# KiCad board skean.kicad_pcb
title: Skean; date: 2021-11-01; rev: 0.2
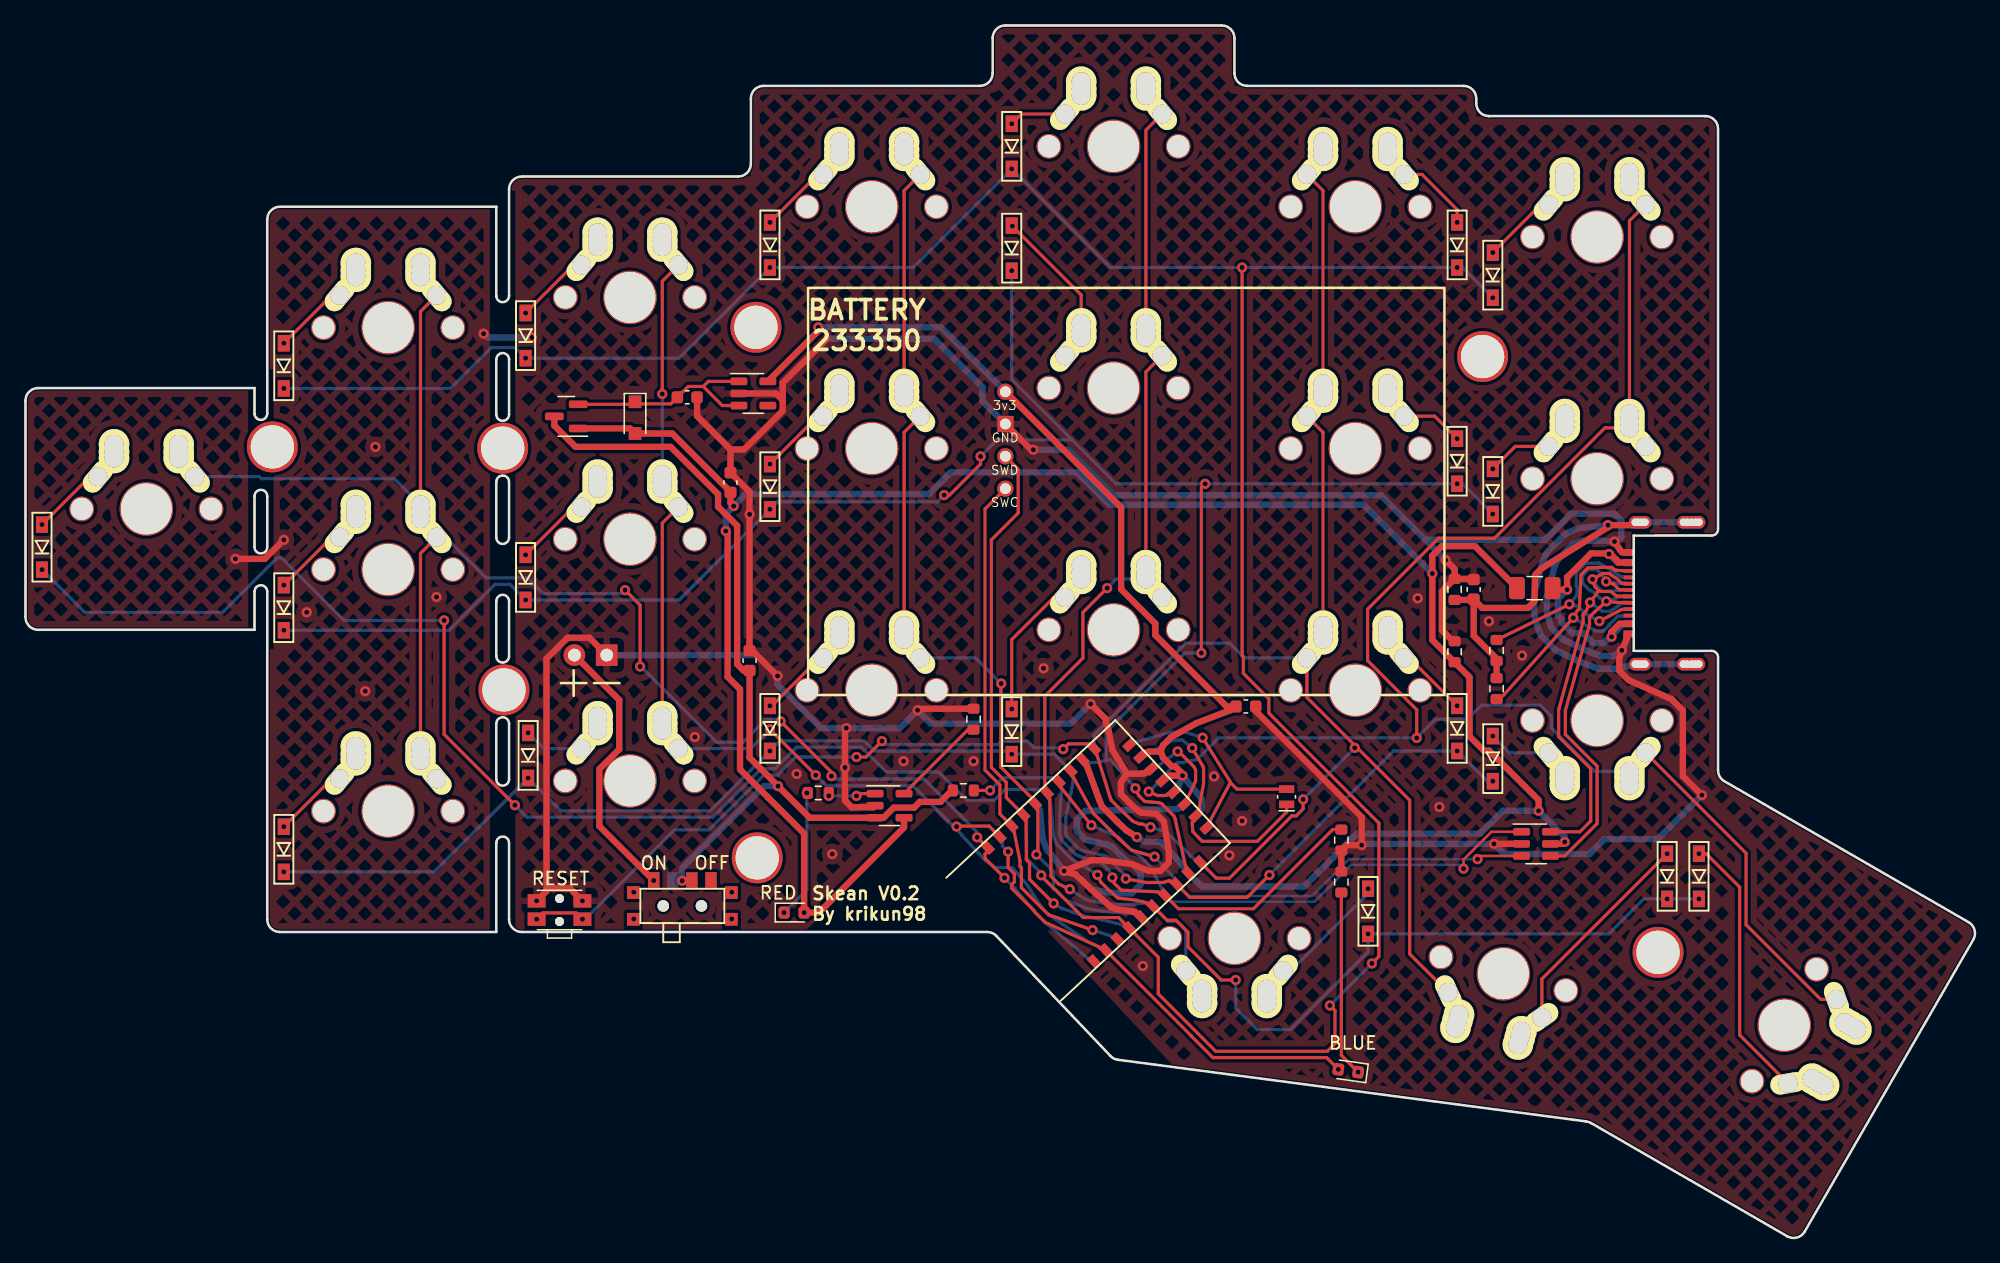
[diagram p0: board, top side]
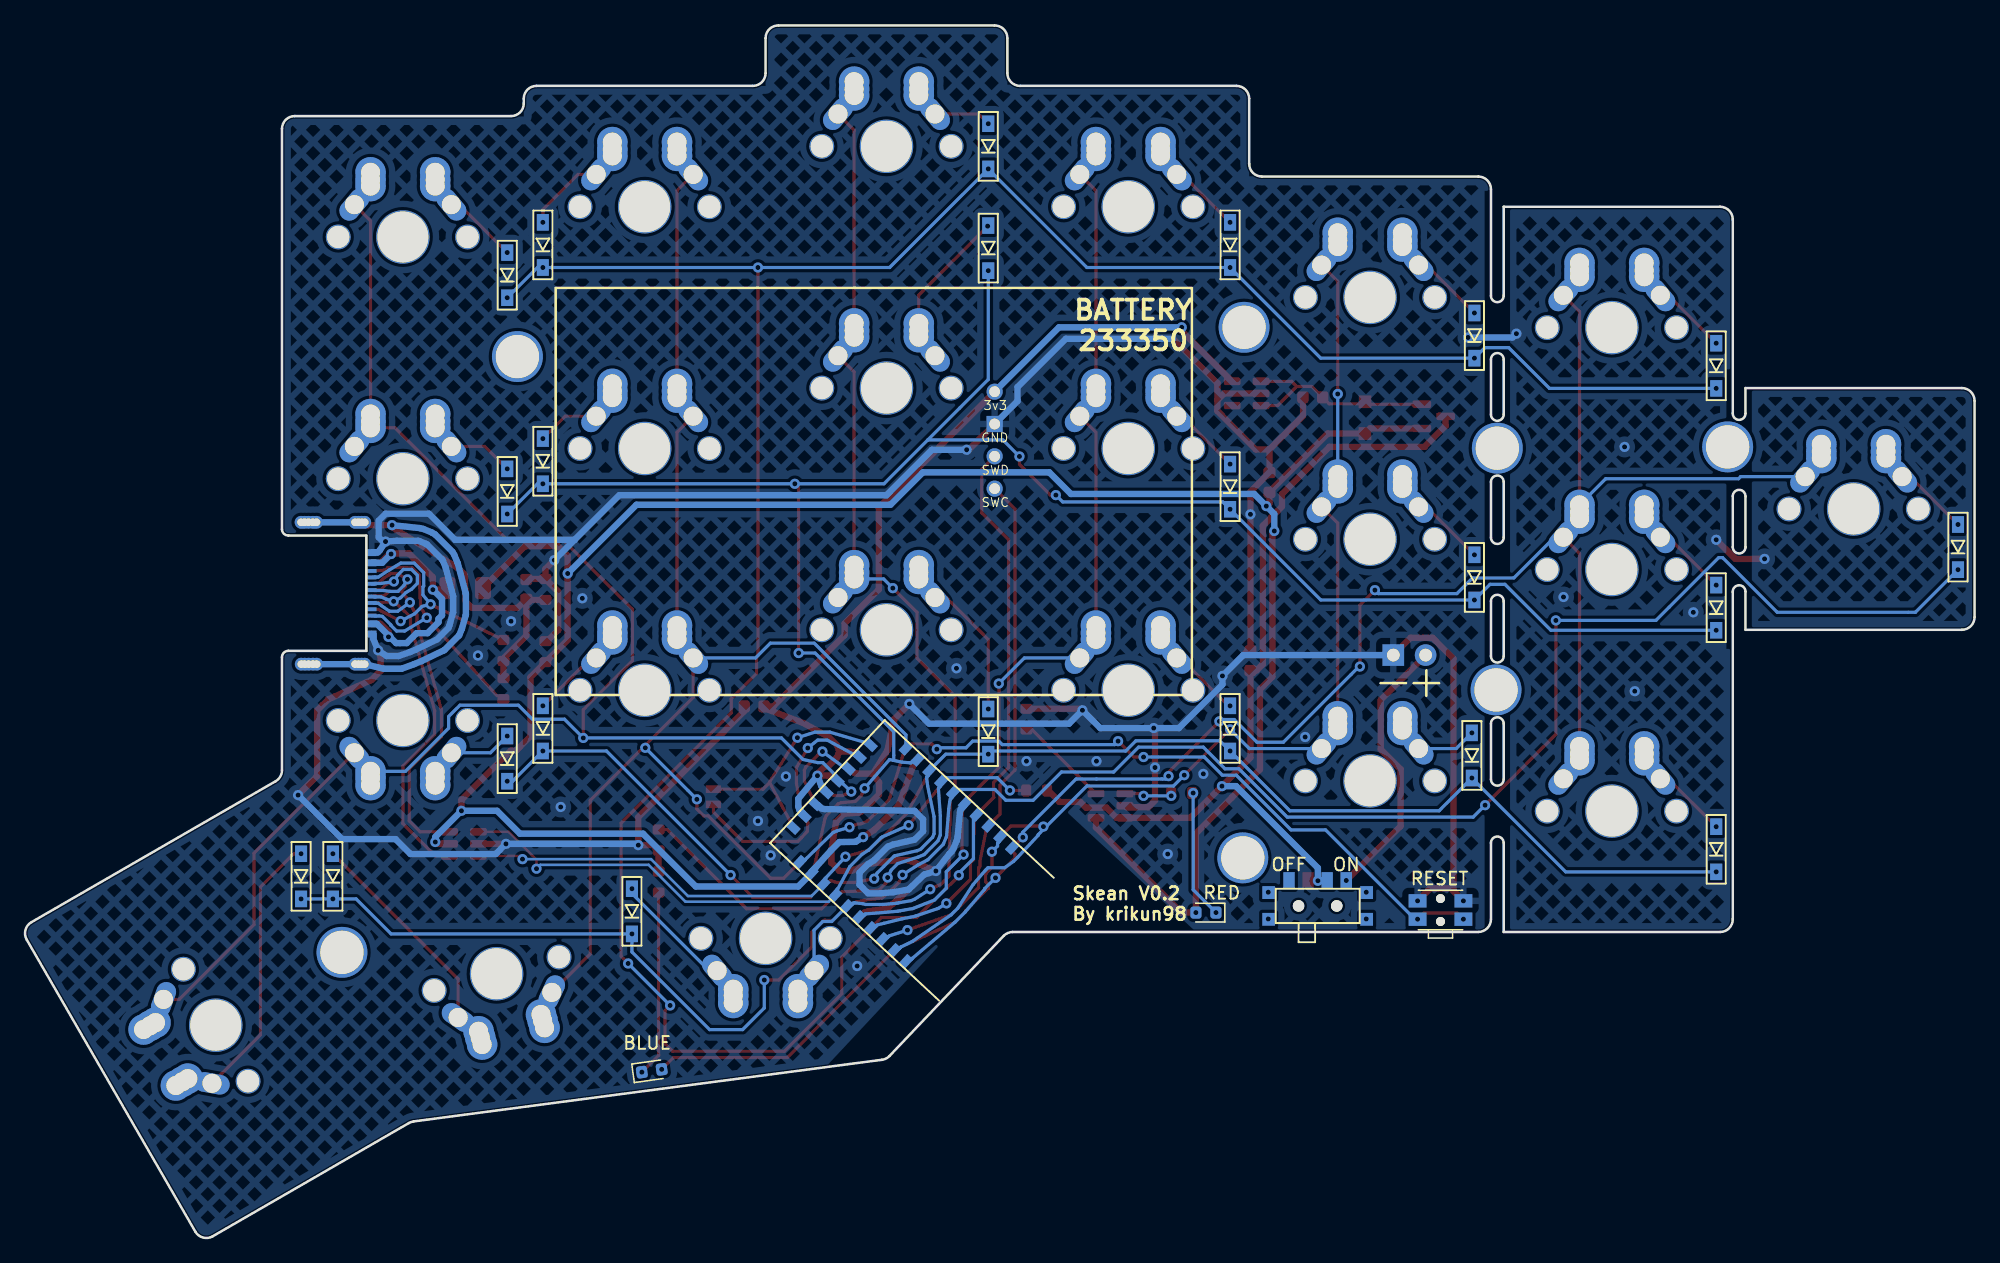
[diagram p1: board, bottom side, seen from below]

Outline 153.16 x 95.27 mm; copper layers: Top, Bottom. Coordinates in mm from the lower left corner of the outline.
Outline path: 0,65.77 arc(0.29,66.47) 1,66.77 18,66.77 18,64.77 arc(18.5,64.27) 19,64.77 19,80.02 arc(19.29,80.72) 20,81.02 37,81.02 37,74.02 arc(37.5,73.52) 38,74.02 38,82.39 arc(38.29,83.1) 39,83.39 56,83.39 arc(56.71,83.69) 57,84.39 57,89.52 arc(57.29,90.22) 58,90.52 75,90.52 arc(75.71,90.81) 76,91.52 76,94.27 arc(76.29,94.97) 77,95.27 94,95.27 arc(94.71,94.97) 95,94.27 95,91.52 arc(95.29,90.81) 96,90.52 113,90.52 arc(113.71,90.22) 114,89.52 114,89.14 arc(114.29,88.44) 115,88.14 132,88.14 arc(132.71,87.85) 133,87.14 133,55.68 arc(132.85,55.32) 132.5,55.18 126.37,55.17 126.37,46.11 132.5,46.11 arc(132.85,45.97) 133,45.61 133,36.73 arc(133.13,36.23) 133.5,35.86 152.69,24.78 arc(153.16,24.17) 153.06,23.42 139.81,0.47 arc(139.2,0) 138.44,0.1 123.02,9 arc(122.85,9.08) 122.66,9.13 85.85,13.97 arc(85.53,14.07) 85.26,14.27 76.29,23.71 arc(75.97,23.94) 75.58,24.02 39,24.02 arc(38.29,24.31) 38,25.02 38,31.02 arc(37.5,31.52) 37,31.02 37,24.02 19.99,24.02 arc(19.29,24.31) 19,25.01 19,50.77 arc(18.5,51.27) 18,50.77 18,47.77 1,47.77 arc(0.29,48.06) 0,48.77 0,65.77 ; 18,58.27 18,54.27 arc(18.5,53.77) 19,54.27 19,58.27 arc(18.5,58.77) 18,58.27 ; 37,69.02 37,64.69 arc(37.5,64.19) 38,64.69 38,69.02 arc(37.5,69.52) 37,69.02 ; 37,59.39 arc(37.5,59.89) 38,59.39 38,55.02 arc(37.5,54.52) 37,55.02 37,59.39 ; 37,50.02 arc(37.5,50.52) 38,50.02 38,45.69 arc(37.5,45.19) 37,45.69 37,50.02 ; 37,40.39 37,36.02 arc(37.5,35.52) 38,36.02 38,40.39 arc(37.5,40.89) 37,40.39
Stack: Top 0.035mm / dielectric 0.72mm FR4 er 4.5 / Bottom 0.035mm

## Placement (name value [footprint] x y rotation side)
C1  10pF  [C_0603_1608Metric]  52 66.04 0 top
C2  10pF  [C_0603_1608Metric]  95.9 41.74 0 top
C3  1nF  [C_0603_1608Metric]  113.8 50.94 270 top
C4  4.7uF  [C_0603_1608Metric]  56.9 45.34 90 top
C5  4.7uF  [C_0603_1608Metric]  55.4 59.34 90 top
D1  D_Small  [D3_SMD]  20.3 68.52 90 top
D2  D_Small  [D3_SMD]  39.3 70.89 90 top
D3  D_Small  [D3_SMD]  58.5 78.02 90 top
D4  D_Small  [D3_SMD]  77.5 85.77 90 top
D5  D_Small  [D3_SMD]  112.5 78.02 90 top
D6  D_Small  [D3_SMD]  115.3 75.64 90 top
D7  D_Small  [D3_SMD]  20.3 49.5 90 top
D8  D_Small  [D3_SMD]  39.3 51.89 90 top
D9  D_Small  [D3_SMD]  58.5 59.02 90 top
D10  D_Small  [D3_SMD]  77.5 77.77 90 top
D11  D_Small  [D3_SMD]  112.5 61.02 90 top
D12  D_Small  [D3_SMD]  115.3 58.64 90 top
D13  D_Small  [D3_SMD]  20.3 30.52 90 top
D14  D_Small  [D3_SMD]  39.5 37.89 90 top
D15  D_Small  [D3_SMD]  58.5 40.02 90 top
D16  D_Small  [D3_SMD]  77.5 39.77 90 top
D17  D_Small  [D3_SMD]  112.5 40.02 90 top
D18  D_Small  [D3_SMD]  115.3 37.64 90 top
D19  D_Small  [D3_SMD]  1.3 54.27 90 top
D20  D_Small  [D3_SMD]  105.5 25.64 90 top
D21  D_Small  [D3_SMD]  129 28.39 90 top
D22  D_Small  [D3_SMD]  131.5 28.39 90 top
D23  1N5819  [D_SOD-323_HandSoldering]  47.9 64.44 270 top
D24  RED  [LED_0603_1608Metric]  60.4 25.54 0 top
D25  BLUE  [LED_0603_1608Metric]  103.94 13.11 172 top
F1  500mA  [Fuse_1206_3216Metric]  118.6 51.04 180 top
H0  MountingHole  [M2-MountingHole-Standoff]  19.4 62.14 0 top
H1  MountingHole  [M2-MountingHole-Standoff]  37.6 43.04 0 top
H2  MountingHole  [M2-MountingHole-Standoff]  37.5 62.04 0 top
H3  MountingHole  [M2-MountingHole-Standoff]  57.4 71.54 0 top
H4  MountingHole  [M2-MountingHole-Standoff]  57.5 29.84 0 top
H5  MountingHole  [M2-MountingHole-Standoff]  114.5 69.24 0 top
H6  MountingHole  [M2-MountingHole-Standoff]  128.29 22.42 0 top
J2  SWD  [connector_swd]  77 66.48 0 top
J3  USB-C Conn  [USB-C_C168688_REV]  132.97 50.64 270 top
J4  Conn_01x02_Female  [Battery_TH]  45.67 45.78 270 top
K1  KEYSW  [MX-Alps-1U-REV-TOPOR]  28.5 71.52 0 top
K2  KEYSW  [MX-Alps-1U-REV-TOPOR]  47.5 73.89 0 top
K3  KEYSW  [MX-Alps-1U-REV-TOPOR]  66.5 81.02 0 top
K4  KEYSW  [MX-Alps-1U-REV-TOPOR]  85.5 85.77 0 top
K5  KEYSW  [MX-Alps-1U-REV-TOPOR]  104.5 81.02 0 top
K6  KEYSW  [MX-Alps-1U-REV-TOPOR]  123.5 78.64 0 top
K7  KEYSW  [MX-Alps-1U-REV-TOPOR]  28.5 52.5 0 top
K8  KEYSW  [MX-Alps-1U-REV-TOPOR]  47.5 54.89 0 top
K9  KEYSW  [MX-Alps-1U-REV-TOPOR]  66.5 62.02 0 top
K10  KEYSW  [MX-Alps-1U-REV-TOPOR]  85.5 66.77 0 top
K11  KEYSW  [MX-Alps-1U-REV-TOPOR]  104.5 62.02 0 top
K12  KEYSW  [MX-Alps-1U-REV-TOPOR]  123.5 59.64 0 top
K13  KEYSW  [MX-Alps-1U-REV-TOPOR]  28.5 33.52 0 top
K14  KEYSW  [MX-Alps-1U-REV-TOPOR]  47.5 35.89 0 top
K15  KEYSW  [MX-Alps-1U-REV-TOPOR]  66.5 43.02 0 top
K16  KEYSW  [MX-Alps-1U-REV-TOPOR]  85.5 47.77 0 top
K17  KEYSW  [MX-Alps-1U-REV-TOPOR]  104.5 43.02 0 top
K18  KEYSW  [MX-Alps-1U-REV-TOPOR]  123.5 40.64 180 top
K19  KEYSW  [MX-Alps-1U-REV-TOPOR]  9.5 57.27 0 top
K20  KEYSW  [MX-Alps-1U-REV-TOPOR]  95 23.52 180 top
K21  KEYSW  [MX-Alps-1U-REV-TOPOR]  116.14 20.73 165 top
K22  KEYSW  [MX-Alps-1.5U-REV-TOPOR]  138.2 16.69 240 top
Q2  AO3407  [SOT-23]  42.5 64.54 180 top
R2  806K  [R_0603_1608Metric]  73.7 35.14 0 top
R3  2M  [R_0603_1608Metric]  103.4 31.24 270 top
R4  5.1K  [R_0603_1608Metric]  115.6 43.14 90 top
R5  5.1K  [R_0603_1608Metric]  115.6 46.14 270 top
R6  100K  [R_0603_1608Metric]  112.3 46.04 90 top
R7  1K  [R_0603_1608Metric]  62.3 34.94 0 top
R8  RPROG  [R_0603_1608Metric]  74.5 40.74 90 top
R9  1K  [R_0603_1608Metric]  103.4 27.94 90 top
R10  1M  [R_0603_1608Metric]  112.3 50.94 90 top
RSW1  SW_PUSH  [SW_SPST_EVQP7C]  41.97 25.74 0 top
SW1  SW_SPDT  [SW_SPDT+H-MSK12C01_hor(7pin_SMD)#2]  51.62 26.06 180 bottom
SW2  SW_SPDT  [SW_SPDT+H-MSK12C01_hor(7pin_SMD)]  51.62 26.06 0 top
U1  E73-2G4M08S1E  [E73-2G4M08S1E-52833-REV]  90.05 35.75 223 top
U2  XC6220B331MR-G  [SOT-23-5]  57.2 66.34 0 top
U3  TP4054  [SOT-23-5]  67.9 33.94 0 top
U4  USBLC6-2SC6  [SOT-23-6]  118.7 30.94 0 top
X1  32.768kHz  [Crystal_SMD_MicroCrystal_CM9V-T1A-2Pin_1.6x1.0mm]  99.1 34.64 90 top

## Library data of the parts
C1 C2 = -: LCSC: C1634
C3 = -: LCSC: C1588
C4 C5 = -: LCSC: C19666
F1 = -: LCSC: C883122
R10 = -: LCSC: C22935
U4 = -: LCSC: C558442

## Footprints (pads in the part's own frame, mm; a bottom-side part is the same pattern mirrored in y, then rotated)
Battery_TH
  rect 1.7x1.7 hole 1: 1(0,0)
  oval 1.7x1.7 hole 1: 2(0,-2.54)
C_0603_1608Metric
  rrect 0.9x0.95 smd: 1(-0.775,0) 2(0.775,0)
connector_swd
  oval 1.27x1.27 hole 0.85: 1(0,0) 3(0,-5.08) 4(0,-7.62)
  rect 1.27x1.27 hole 0.85: 2(0,-2.54)
Crystal_SMD_MicroCrystal_CM9V-T1A-2Pin_1.6x1.0mm
  rect 0.6x1.2 smd: 1(-0.6,0) 2(0.6,0)
D3_SMD
  rect 1.3x0.95 smd: 1(-1.775,0) 2(1.775,0)
  rect 1.3x0.95 smd far side: 1(-1.775,0) 2(1.775,0)
D_SOD-323_HandSoldering
  rect 1x1 smd: 1(-1.25,0) 2(1.25,0)
E73-2G4M08S1E-52833-REV
  rect 1x0.65 smd: (0.381,-4.42) 11(0.381,4.47) 13(0.381,3.2) 15(0.381,1.93) 17(0.381,0.66) 19(0.381,-0.61) 21(0.381,-1.88) 23(0.381,-3.15)
  rect 0.65x1 smd: (11.49,6.119) (14.03,6.119) 2(12.76,6.119) 4(10.22,6.119) 5(8.95,6.119) 6(7.68,6.119) 7(6.41,6.119) 8(5.14,6.119) 9(3.87,6.119) 10(2.6,6.119) 26(2.6,-6.119) 27(3.87,-6.119) 29(5.14,-6.119) 31(6.41,-6.119) 33(7.68,-6.119) 35(8.95,-6.119) 37(10.22,-6.119) 39(11.49,-6.119) 41(12.76,-6.119) 43(14.03,-6.119)
  rect 0.65x1 smd far side: 1(14.03,-6.12) 2(12.76,-6.12) 3(11.49,-6.12) 4(10.22,-6.12) 5(8.95,-6.12) 6(7.68,-6.12) 7(6.41,-6.12) 8(5.14,-6.12) 9(3.87,-6.12) 10(2.6,-6.12) 26(2.6,6.12) 27(3.87,6.12) 29(5.14,6.12) 31(6.41,6.12) 33(7.68,6.12) 35(8.95,6.12) 37(10.22,6.12) 39(11.49,6.12) 41(12.76,6.12) 43(14.03,6.12)
  rect 1x0.65 smd far side: 11(0.38,-4.42) 13(0.38,-3.15) 15(0.38,-1.88) 17(0.38,-0.61) 19(0.38,0.66) 21(0.38,1.93) 23(0.38,3.2) 25(0.38,4.47)
Fuse_1206_3216Metric
  rrect 1.25x1.75 smd: 1(-1.4,0) 2(1.4,0)
LED_0603_1608Metric
  rrect 0.875x0.95 smd: 1(-0.787,0) 2(0.787,0)
  rrect 0.875x0.95 smd far side: 1(-0.787,0) 2(0.788,0)
M2-MountingHole-Standoff
  round 4 hole 3.4: (0,0)
MX-Alps-1.5U-REV-TOPOR
  round 1.95 hole 1.75 unplated: (-5.08,0) (5.08,0)
  round 4.2 hole 4 unplated: (0,0)
  round 2.4 hole 1.5: 1(2.54,5.08) 1(2.54,4) 1(2.54,4.5) 2(-2.54,4) 2(-2.54,5.08) 2(-2.54,4.5)
  oval 2.8x1.55 hole 1.5 rot 130: 1(3.81,2.54)
  oval 2.8x1.55 hole 1.5 rot 50: 2(-3.81,2.54)
MX-Alps-1U-REV-TOPOR
  round 1.95 hole 1.75 unplated: (-5.08,0) (5.08,0)
  round 4.2 hole 4 unplated: (0,0)
  oval 2.8x1.55 hole 1.5 rot 50: 1(-3.81,2.54)
  round 2.4 hole 1.5: 1(-2.54,5.08) 1(-2.54,4.5) 1(-2.54,4) 2(2.54,5.08) 2(2.54,4.5) 2(2.54,4)
  oval 2.8x1.55 hole 1.5 rot 130: 2(3.81,2.54)
R_0603_1608Metric
  rrect 0.8x0.95 smd: 1(-0.825,0) 2(0.825,0)
SOT-23
  rrect 1.475x0.6 smd: 1(-0.938,0.95) 2(-0.938,-0.95) 3(0.938,0)
SOT-23-5
  rrect 1.325x0.6 smd: 1(-1.137,0.95) 2(-1.137,0) 3(-1.137,-0.95) 4(1.137,-0.95) 5(1.137,0.95)
SOT-23-6
  rrect 1.325x0.6 smd: 1(-1.137,0.95) 2(-1.137,0) 3(-1.137,-0.95) 4(1.137,-0.95) 5(1.137,0) 6(1.137,0.95)
SW_SPDT+H-MSK12C01_hor(7pin_SMD)
  rect 0.9x1.3 smd: 1(-2.25,2) 2(0.75,2) 3(2.25,2)
  rect 1x1 smd: H(-3.85,1.05) H(-3.85,-1.05) H(3.85,1.05) H(3.85,-1.05)
SW_SPDT+H-MSK12C01_hor(7pin_SMD)#2
  round 0.9 hole 0.9 unplated: (-1.5,0) (1.5,0)
  rect 0.9x1.3 smd: 1(-2.25,2) 2(0.75,2) 3(2.25,2)
  rect 1x1 smd: H(-3.85,-1.05) H(-3.85,1.05) H(3.85,-1.05) H(3.85,1.05)
SW_SPST_EVQP7C
  round 0.7 hole 0.7 unplated: (0,0.9) (0,-0.9)
  rect 1.4x1.05 smd: 1(-1.8,-0.72) 1(1.8,-0.72) 2(-1.8,0.72) 2(1.8,0.72)
  rect 1.4x1.05 smd far side: 1(-1.8,-0.72) 1(1.8,-0.72) 2(-1.8,0.72) 2(1.8,0.72)
USB-C_C168688_REV
  rect 0.3x0.8 smd: (-1.25,-7) (1.758,-7) A5(1.25,-7) A6(0.25,-7) A7(-0.25,-7) B5(-1.75,-7) B6(-0.75,-7) B7(0.75,-7)
  rect 0.54x0.8 smd: A1(-3.2,-7) A1(3.2,-7) A4(-2.4,-7) A4(2.4,-7)
  rect 0.54x0.8 smd far side: A1(-3.19,-7) A1(3.21,-7) A4(-2.39,-7) A4(2.41,-7)
  rect 0.3x0.8 smd far side: A5(-1.24,-7) A6(-0.24,-7) A7(0.26,-7) A8(1.26,-7) B5(1.76,-7) B6(0.76,-7) B7(-0.74,-7) B8(-1.748,-7)
  round 1 hole 0.6: S1(-5.576,-1.473) S1(-5.575,-1.753) S1(-5.575,-2.057) S1(-5.575,-2.4) S1(-5.575,-2.692) S1(-5.575,-6.236) S1(-5.575,-5.719) S1(-5.575,-5.982) S1(-5.575,-6.481) S1(5.575,-1.486) S1(5.575,-1.765) S1(5.575,-2.07) S1(5.575,-2.413) S1(5.575,-2.705) S1(5.575,-6.236) S1(5.576,-5.719) S1(5.576,-5.982) S1(5.576,-6.481)

## Nets
GND: C1.2 C2.2 C3.1 C4.2 C5.2 J2.2 J3.A1 J4.1 R3.2 R6.2 R8.2 R9.2 R10.2 RSW1.2 U1.5 U1.21 U2.2 U3.2 U4.2
GNDS: C3.2 J3.S1 R4.2 R5.2 R10.1
VBAT: C4.1 Q2.3 R2.1 SW1.2 SW2.2 U3.3
VBUS: C5.1 D23.2 D24.2 F1.2 Q2.1 R6.1 U1.27 U3.4 U4.5
/P0.00: U1.11 X1.2
/P0.01: U1.13 X1.1
BATTERY_PIN: R2.2 R3.1 U1.7
BLUE_LED: D25.2 U1.2
CC1: J3.A5 R5.1
CC2: J3.B5 R4.1
COL0: K1.2 K7.2 K13.2 K19.2 U1.43
COL1: K2.2 K8.2 K14.2 U1.41
COL2: K3.2 K9.2 K15.2 U1.35
COL3: K4.2 K10.2 K16.2 K20.2 U1.33
COL4: K5.1 K11.1 K17.1 K21.2 U1.10
COL5: K6.2 K12.2 K18.1 K22.2 U1.17
DATA+: U1.31 U4.1
DATA-: U1.29 U4.3
nRF_VDD: C2.1 J2.1 U1.19 U1.23 U2.5
PROG: U1.15
RESET: RSW1.1 U1.26
ROW0: D1.1 D2.1 D3.1 D4.1 D5.1 D6.1 U1.4
ROW1: D7.1 D8.1 D9.1 D10.1 D11.1 D12.1 U1.9
ROW2: D13.1 D14.1 D15.1 D16.1 D17.1 D18.1 U1.8
ROW3: D19.1 D20.1 D21.1 D22.1 U1.6
SWC: J2.4 U1.39
SWD: J2.3 U1.37
USBN: J3.A7 J3.B7 U4.4
USBP: J3.A6 J3.B6 U4.6
Net-(C1-Pad1): C1.1 D23.1 Q2.2 U2.1 U2.3
Net-(D1-Pad2): D1.2 K1.1
Net-(D2-Pad2): D2.2 K2.1
Net-(D3-Pad2): D3.2 K3.1
Net-(D4-Pad2): D4.2 K4.1
Net-(D5-Pad2): D5.2 K5.2
Net-(D6-Pad2): D6.2 K6.1
Net-(D7-Pad2): D7.2 K7.1
Net-(D8-Pad2): D8.2 K8.1
Net-(D9-Pad2): D9.2 K9.1
Net-(D10-Pad2): D10.2 K10.1
Net-(D11-Pad2): D11.2 K11.2
Net-(D12-Pad2): D12.2 K12.1
Net-(D13-Pad2): D13.2 K13.1
Net-(D14-Pad2): D14.2 K14.1
Net-(D15-Pad2): D15.2 K15.1
Net-(D16-Pad2): D16.2 K16.1
Net-(D17-Pad2): D17.2 K17.2
Net-(D18-Pad2): D18.2 K18.2
Net-(D19-Pad2): D19.2 K19.1
Net-(D20-Pad2): D20.2 K20.1
Net-(D21-Pad2): D21.2 K21.1
Net-(D22-Pad2): D22.2 K22.1
Net-(D24-Pad1): D24.1 R7.1
Net-(D25-Pad1): D25.1 R9.1
Net-(F1-Pad1): F1.1 J3.A4
Net-(J4-Pad2): J4.2 SW1.3 SW2.1
Net-(R7-Pad2): R7.2 U3.1
Net-(R8-Pad1): R8.1 U3.5

Pads without a net: J3 A8 B8; SW1 1 H; SW2 3 H; U1 1 3 25; U2 4

## Via types
v1: diameter 0.8, hole 0.4, Top to Bottom, 166 vias

## Routing (per net, layer and track width the routed paths; a pad name or vN(x,y) marks a point on that pad's centre or on a via; arc(x,y) is an arc through that point)
GND: length 367.1
  Top w0.5: U1.5 87.45,25.3 87.28,25.49 87.2,25.56 86.95,25.64 85.71,25.8 85.3,25.98 84.59,26.6 83.76,27.36 82.54,28.53 v1(81.62,28.81) 83.76,29.66 84.72,29.66 86.94,29.36 88.26,28.82 89.19,28.82 89.84,29.47 89.84,30.4 89.46,32.69 88.84,33.3 87.66,33.4 87.52,33.46 86.75,34.17 86.08,34.83 86.08,35.78 86.56,36.46 ; v1(16.5,53.34) 18.8,53.34 v1(20.3,54.84) ; 55.4,61.94 56.47,61.94 59.5,64.97 59.5,65.82 ; 55.4,61.94 C5.2 56.9,58.62 v1(56.9,56.84) C4.2 57.13,46.12 v1(59.1,44.14) ; 55.4,61.94 52.77,64.57 C1.2 ; v1(131.73,34.77) 130.24,36.27 130.24,41.43 129.37,42.3 125.98,43.82 125.24,44.55 125.24,45.58 v1(125.44,46.15) 125.82,47.07 125.82,47.42 J3.A1 ; v1(70.1,41.44) 70.23,41.57 R8.2 ; 59.5,65.82 58.97,66.34 U2.2 ; 59.5,65.82 59.5,67.17 59.51,67.17 62.98,70.64 ; J2.2 79.02,61.92 v1(79.2,61.92) ; U4.2 v1(115.4,30.94) ; J4.1 44.31,47.14 42.59,47.14 40.95,45.5 40.95,27.24 v1(40.17,26.46) ; v1(111.6,53.24) 112.3,52.54 R10.2 ; 86.56,36.46 87.79,36.46 88,36.51 88.26,36.75 U1.21 ; 86.56,36.46 85.42,38.31 85.02,40.27 84.9,40.39 84.9,40.74 v1(83.7,41.94) ; v1(64.5,40.04) 64.4,39.94 v1(64.4,36.94) 64.4,34.35 64.93,33.82 66.64,33.82 U3.2 ; R10.2 111.3,50.77 111.3,47.74 112.18,46.87 R6.2 ; R10.2 113.75,51.77 C3.1 ; v1(124.86,54.7) 125.32,54.01 125.47,53.86 125.82,53.86 J3.A1 ; 41.15,27.44 42.79,27.44 v1(43.77,26.46) ; R9.2 R3.2 103.83,30.84 v1(105,30.84) 105,33.04 96.67,41.37 C2.2
  Bottom w0.5: v1(124.86,54.7) 125.06,54.7 125.4,55.04 125.4,56.34 124.85,56.89 121.45,56.89 119.4,54.84 110,54.84 ; v1(124.86,54.7) 125.32,54 125.47,53.85 125.82,53.85 J3.A1 ; v1(124.86,54.7) 123.98,54.76 122.3,54.76 122.2,54.74 121.67,54.52 121.59,54.47 120.41,53.28 120.36,53.2 120.14,52.67 119.55,50.4 119.55,49.14 119.85,48.08 119.93,47.9 120.81,47.01 122.5,46.2 122.92,46.03 123.83,45.71 124.78,45.71 v1(125.44,46.15) 125.82,47.06 125.82,47.41 J3.A1 ; J2.2 75.2,65.74 75.2,66.84 71.4,70.64 62.98,70.64 ; v1(83.7,41.94) 82.15,40.39 71.15,40.39 v1(70.1,41.44) 68.7,40.04 v1(64.5,40.04) 62.52,40.04 59.1,43.46 v1(59.1,44.14) 57.46,45.78 J4.1 ; v1(39.8,70.74) 36.3,70.74 v1(36,71.04) ; 110,54.84 106.5,58.34 85.5,58.34 81.92,61.92 v1(79.2,61.92) ; 110,54.84 v1(111.6,53.24) ; v1(105,30.84) 105.1,30.94 v1(115.4,30.94) 116.2,30.14 122.9,30.14 124.07,31.32 128.27,31.32 v1(131.73,34.77) ; U1.5 79.45,33.89 79.68,33.64 79.73,33.42 79.91,31.46 79.98,31.21 80.24,30.57 80.37,30.35 80.56,30.16 v1(81.62,28.81) 82.54,28.53 83.76,27.36 84.93,27.15 85.99,27.06 86.94,27.06 87.61,27.73 87.61,28.68 86.94,29.36 86.45,29.67 85.4,30.72 84.99,30.89 83.29,31.27 82.62,31.93 82.62,32.87 83.29,33.54 90.39,33.68 90.6,33.72 90.67,33.79 90.85,33.96 U1.21
  vias: v1(22.1,49.14) v1(26.7,42.94) v1(27.5,62.14) v1(32.3,50.34) v1(52.6,39.34) v1(60.6,36.44) v1(63.4,30.14) v1(69,37.44) v1(74.5,37.44) v1(80,44.74) v1(87.8,21.34) v1(93.4,36.24) v1(94.6,30.04) v1(95.6,32.74) v1(109.4,50.24) v1(111.1,33.84) v1(115,48.44) v1(117.6,45.74)
GNDS: length 55.6
  Top w0.5: C3.2 113.75,50.12 R10.1 ; C3.2 113.8,47.3 115.6,45.5 R5.2 R4.2 ; C3.2 114.48,49.49 118.06,49.49 118.5,49.93 118.56,50.01 118.58,50.11 118.62,51.98 118.64,52.07 118.7,52.16 119.14,52.6 119.22,52.65 124.39,55.85 124.35,55.89 v1(124.35,55.99) 126.27,55.99 J3.S1
  Bottom w0.5: J3.S1 J3.S1 J3.S1 J3.S1 J3.S1 J3.S1 J3.S1 J3.S1 J3.S1 125.01,44.71 123.6,44.71 122.62,45.07 122.03,45.31 120.27,46.15 120.23,46.18 119.09,47.32 119.07,47.36 118.86,47.86 118.56,48.92 118.55,48.96 118.55,50.58 118.56,50.63 119.18,52.99 119.46,53.65 119.61,53.9 120.97,55.26 121.22,55.41 121.89,55.69 122.17,55.76 v1(124.35,55.99) ; J3.S1 J3.S1 J3.S1 J3.S1 J3.S1 J3.S1 J3.S1 J3.S1 J3.S1
VBAT: length 69.4
  Top w0.5: Q2.3 41.56,63.81 43.22,62.15 50.7,62.15 54.43,58.42 54.43,57.44 55.93,55.94 55.93,45.07 56.43,44.57 C4.1 56.9,37.72 v1(59.14,35.48) 61.63,32.99 U3.3 67.42,32.99 68.22,33.79 69.82,33.79 70.27,34.24 71.9,34.24 72.8,35.14 R2.1 ; v1(51.6,28.04) 52.35,28.04 SW2.2
  Bottom w0.5: v1(59.14,35.48) 58.03,35.48 51.6,29.05 v1(51.6,28.04) 51.58,28.06 SW1.2
VBUS: length 200.6
  Top w0.5: F1.2 113.9,54.34 111.3,54.34 110.55,53.59 v1(110.55,52.19) 110.55,46.97 R6.1 113.47,44.04 113.47,39.39 114.6,38.27 115.02,38.27 118.9,34.39 v1(118.9,33.54) ; U1.27 83.16,37.35 83.4,37.1 84.37,34.42 84.58,33.91 84.61,33.86 85.77,32.7 86.48,32.02 v1(87.33,31.47) ; v1(55.03,55.53) 55.18,55.38 55.18,44.07 56.15,43.09 56.15,36.79 58.35,34.59 58.35,34.59 61.19,31.75 v1(61.19,25.54) 62.35,25.54 69.04,32.23 U3.4 ; Q2.1 47.5,63.59 D23.2 50.82,63.19 55.4,58.61 C5.1 55.4,57.74 v1(55.65,57.49) ; U4.5 120.8,30.94 v1(120.95,31.09)
  Bottom w0.5: v1(55.03,55.53) 55.03,56.86 v1(55.65,57.49) 56.6,58.44 71,58.44 72.7,60.14 82.64,60.14 85.19,57.59 105.15,57.59 v1(110.55,52.19) ; v1(120.95,31.09) 120.95,31.49 v1(118.9,33.54) 116.1,33.54 114.3,31.74 104.63,31.74 100.48,27.59 92.43,27.59 U1.27 91.39,28.76 91.1,29.05 91.04,29.12 89.87,30.41 89.2,31.08 87.93,31.1 v1(87.33,31.47) ; D24.2 v1(61.19,25.54)
(no net):
  vias: v1(47.8,27.14) v1(47.8,25.04) v1(55.5,27.14) v1(55.5,25.04)
/P0.00: length 18.8
  Top w0.25: X1.2 95.2,35.24 94.68,35.76 ; 94.68,35.76 94.69,35.79 v1(92.5,39.29) ; 94.68,35.76 93.09,32.75 93.05,32.71 92.96,32.62 U1.11
  Bottom w0.25: U1.11 87.17,38.83 87.29,38.95 89.95,39.73 91.11,39.73 v1(92.5,39.29)
/P0.01: length 20.9
  Top w0.25: v1(91.68,38.48) 92.52,37.05 92.57,36.91 92.57,35.7 92.22,33.68 92.18,33.63 92.09,33.55 91.81,32.75 91.72,32.66 91.68,32.62 91.68,32.52 91.73,31.91 92.17,31.43 92.47,31.14 96.8,31.14 99.1,33.44 X1.1
  Bottom w0.25: U1.13 88.03,37.9 88.16,38.02 90.16,39.1 90.9,39.1 v1(91.68,38.48)
BATTERY_PIN: length 38.7
  Top w0.25: R2.2 v1(75.8,35.14) ; R3.1 102.72,32.07 96.5,25.84 90.59,25.84 U1.7 89.13,27.04 89.05,27.13 89.01,27.17 86.09,27.31 85.56,27.83 v1(85.41,28.3)
  Bottom w0.25: v1(75.8,35.14) 76.8,36.14 80.9,36.14 U1.7 81.3,35.44 81.38,35.35 81.41,35.32 81.41,35.21 81.27,33.17 81.27,31.63 81.45,31.18 82.54,30.1 82.99,29.91 84.61,29.4 85.13,28.88 v1(85.41,28.3)
BLUE_LED: length 35.9
  Top w0.25: 84.4,22.8 84.66,22.8 U1.2 91.6,15.86 91.6,15.84 93.3,14.14 102.24,14.14 v1(103.16,13.22) ; 84.4,22.8 84.49,22.71 ; 84.4,22.8 84.36,22.84 80.12,24.78 79.31,25.59 79.27,25.68 77.5,27.45 77.5,27.74 77.71,27.95 77.71,28.59 77.21,29.08 v1(77.21,30.33)
  Bottom w0.25: U1.2 76.65,31.11 76.77,30.99 76.77,30.77 v1(77.21,30.33)
CC1: length 18.6
  Top w0.25: J3.A5 125.7,49.37 125.43,49.37 v1(123.68,48.45) ; 116.08,47.21 v1(121.32,49.77)
  Bottom w0.25: J3.A5 125.7,51.91 125.44,51.91 124.58,52.46 123.67,53.01 122.61,53.01 121.86,52.26 121.86,51.21 121.92,51.15 121.92,50.5 v1(121.32,49.77) 121.99,49.61 122.58,49.02 v1(123.68,48.45)
CC2: length 21
  Top w0.25: J3.B5 125.7,52.42 125.43,52.42 124.97,52.45 124.83,52.51 124.66,52.67 123.75,52.67 122.77,52.64 122.24,52.11 122.14,50.25 122.11,49.45 121.95,49.28 v1(121.62,48.71) 116.1,42.58
  Bottom w0.25: J3.B5 125.7,48.86 125.38,48.86 125.11,48.83 124.45,48.17 124.45,48.13 124,47.67 123.36,47.67 v1(121.62,48.71)
COL0: length 136.3
  Top w0.25: K19.2 12.04,61.08 K19.2 K19.2 K19.2 ; v1(48.3,44.88) 48.3,49.7 v1(47.12,50.89) ; v1(74.79,31.46) 75.59,30.66 U1.43 75.61,30.36 75.4,30.14 75.4,29.74 75.46,29.74 v1(76.93,28.27) ; K1.2 K1.2 K1.2 31.04,75.33 K1.2 31.04,72.79 K7.2 K7.2 K7.2 31.04,56.31 K7.2 31.04,53.77 K13.2 K13.2 K13.2 31.04,37.33 K13.2 ; v1(59.34,40.57) 63.34,36.58 v1(63.34,36.27)
  Bottom w0.25: 58.97,40.72 58.17,40.72 56.39,38.93 54.31,38.93 48.36,44.88 v1(48.3,44.88) ; 58.97,40.72 59.23,40.72 ; 58.97,40.72 59.12,40.57 v1(59.34,40.57) ; K7.2 28.98,59.64 18.54,59.64 18.38,59.81 K19.2 ; v1(74.79,31.46) 74.79,31.86 70.6,36.04 63.56,36.04 v1(63.34,36.27) ; v1(76.93,28.27) 77.79,27.41 77.79,27.37 79.31,25.59 80.12,24.78 83.43,21.97 83.47,21.93 83.56,21.84 U1.43 ; K7.2 33,55.04 36.2,51.84 39.44,51.84 40.67,50.61 46.84,50.61 v1(47.12,50.89)
COL1: length 88.3
  Top w0.25: K2.2 K2.2 50.04,77.7 K2.2 50.04,75.16 v1(50.04,66.3) ; U1.41 75.72,32.34 73.21,32.34 v1(73.17,32.3) ; K8.2 K8.2 50.04,58.7 K8.2 50.04,56.16 K14.2 K14.2 51.31,38.62 K14.2 ; v1(58.5,39.94) v1(62.1,36.34)
  Bottom w0.25: K14.2 56.99,38.43 v1(58.5,39.94) ; U1.41 84.49,22.71 84.4,22.8 84.36,22.84 83.48,23.27 80.42,25.36 79.89,25.89 78.69,27.75 77.72,28.87 77.53,29.07 76.21,29.07 75.51,29.57 75.22,29.86 73.57,31.62 73.57,31.67 69.75,35.49 62.95,35.49 v1(62.1,36.34) ; v1(50.04,66.3) K8.2
COL2: length 75.7
  Top w0.25: v1(79.44,30.1) 79.56,30.22 79.56,33.58 79.44,33.71 U1.35 79.33,34.29 76.65,36.97 76.65,43.52 v1(76.67,43.54) ; K15.2 69.04,46.83 K15.2 K15.2 K15.2 69.04,63.29 K9.2 69.04,65.83 K9.2 K9.2 69.04,82.29 K3.2 69.04,84.83 K3.2 K3.2
  Bottom w0.25: v1(76.67,43.54) 74.66,45.56 K15.2 ; U1.35 87.28,25.31 87.19,25.4 87.15,25.44 85.67,25.55 84.61,25.65 84.43,25.69 83.44,25.85 83.42,25.86 81.71,26.54 80.8,27.45 80.8,28.74 v1(79.44,30.1)
COL3: length 87.7
  Top w0.25: K4.2 K4.2 K4.2 K4.2 ; K4.2 89.31,88.5 K4.2 88.04,87.04 K10.2 K10.2 K10.2 89.31,69.5 K10.2 88.04,68.04 K16.2 K16.2 K16.2 88.04,51.58 K16.2 ; v1(85,51.04) 83.09,49.14 83.09,45.54 80.1,42.54 80.1,35.14 U1.33 80.37,34.58 80.49,34.45 80.59,28.38 81.19,27.78 v1(82.06,27.38)
  Bottom w0.25: v1(82.06,27.38) 83.28,26.59 83.56,26.48 84.55,26.31 84.73,26.27 85.79,26.18 87.14,26.18 87.37,26.24 87.97,26.3 88.08,26.3 88.12,26.27 88.2,26.17 U1.33 89.8,24.84 90.5,24.84 91.19,24.15 K20.2 ; K16.2 85.72,51.77 v1(85,51.04)
COL4: length 115.9
  Top w0.25: U1.10 93.58,28.24 94.61,28.24 99.51,33.14 99.85,33.14 100.4,33.69 v1(100.4,34.44) ; K5.1 K5.1 100.69,83.75 K5.1 101.96,82.29 K11.1 K11.1 100.69,64.75 K11.1 101.96,63.29 K17.1 K17.1 100.69,45.75 K17.1 100.69,42.45 108.77,34.37 108.77,22.29 K21.2 112.65,18.42 K21.2 112.52,17.4 K21.2 112.37,16.9 K21.2
  Bottom w0.25: U1.10 83.97,39.52 91.17,46.72 94.63,46.72 95.79,45.56 K17.1 ; v1(100.4,34.44) v1(104.45,38.49)
COL5: length 136.2
  Top w0.25: U1.17 89.81,34.9 89.68,34.78 89.46,34.74 88.95,34.74 v1(88.27,35.05) ; K18.1 135.2,30.21 135.2,24.59 141.07,18.72 K22.2 142.94,18.09 K22.2 143.48,16.35 K22.2 ; K12.2 126.04,63.45 K12.2 ; K6.2 K6.2 126.04,82.45 K6.2 126.04,79.91 K12.2 K12.2 ; K12.2 124.12,63.64 115.44,54.97 111.04,54.97 105.47,49.39 105.47,45.34 109.32,41.48 v1(109.32,39.27)
  Bottom w0.25: K18.1 123.3,36.64 119.91,40.04 119.91,40.95 119.01,41.84 114.42,41.84 113.32,40.74 110.8,40.74 v1(109.32,39.27) 93.75,39.27 92.87,38.39 92.06,37.58 90.89,37.33 90.5,37.33 89.58,36.42 89.49,36.34 89.35,35.94 89.01,35.75 v1(88.27,35.05)
DATA+: length 43.8
  Top w0.2: U4.1 115.19,31.89 113,29.7 v1(113,28.99)
  Top w0.25: U1.31 81.3,35.44 81.42,35.32 v1(83.76,32.4)
  Bottom w0.2: U1.31 90.04,26.39 101.29,26.39 104.19,29.29 112.7,29.29 v1(113,28.99)
  Bottom w0.25: U1.31 89.42,27.31 89.34,27.4 89.31,27.44 88.38,29.16 87.42,30.12 86.91,30.45 85.93,31.42 85.81,31.5 v1(83.76,32.4)
DATA-: length 41.5
  Top w0.2: U4.3 114.35,29.99 v1(114.1,29.74)
  Top w0.25: U1.29 82.23,36.31 82.31,36.22 82.34,36.18 83.8,33.52 83.93,33.32 85.23,32.01 85.94,31.32 86.91,30.45 v1(88.72,29.93)
  Bottom w0.2: v1(114.1,29.74) 104,29.74 101.1,26.84 91.39,26.84 U1.29
  Bottom w0.25: U1.29 90.35,28.18 90.23,28.3 v1(88.72,29.93)
nRF_VDD: length 73.9
  Top w0.5: U1.19 89.59,36.05 89.84,36.29 90.07,36.3 v1(90.92,36.3) 90.92,36.45 90.35,37.02 90.06,37.05 89.39,37.73 89.38,37.75 89.21,38.2 ; U1.23 87.85,37.91 88.11,38.15 88.32,38.19 89.21,38.2 ; 89.21,38.2 89.38,38.68 90.06,39.35 92.02,40.44 94.68,41.45 C2.1 94.39,41.74 88.79,47.35 88.79,48.26 86.1,50.94 86.1,57.38 J2.1 ; U2.5 62.3,71.25 v1(62.3,71.54)
  Bottom w0.5: U1.23 92.08,33.37 92.27,33.54 92.35,33.62 92.42,33.87 92.42,34.49 v1(90.92,36.3) 90.61,35.48 90.54,35.4 90.35,35.23 U1.19 ; J2.1 71.94,71.54 v1(62.3,71.54)
PROG: length 7.4
  Top w0.25: v1(90.53,38.2) 90.89,37.93 91.84,36.98 91.95,36.73 91.95,35.88 91.35,34.6 91.32,34.56 91.22,34.48 U1.15
  Bottom w0.25: v1(90.53,38.2) 89.02,37.09 88.9,36.97 U1.15
RESET: length 63.9
  Top w0.25: v1(81.54,38.39) 81.96,38.8 83.62,38.8 U1.26 84.08,38.04 84.2,37.91 85.22,34.63 85.33,34.36 86.28,33.42 87.03,32.71 87.49,32.52 87.76,32.5 v1(88.41,32.25) ; v1(43.77,25.02) 43.27,25.52 40.66,25.52 v1(40.17,25.02) ; v1(65.3,37.77) 66.05,37.77 v1(67.3,39.02)
  Bottom w0.25: U1.26 91.93,29.65 91.85,29.74 89.68,31.84 89.4,31.96 v1(88.41,32.25) ; v1(81.54,38.39) 81.44,38.49 79.25,38.49 78.73,39.02 76.67,39.02 76.4,38.74 75.9,38.74 75.9,38.74 67.57,38.74 v1(67.3,39.02) ; v1(43.77,25.02) 43.98,25.02 51,32.04 53.71,32.04 58.01,36.34 59.11,36.34 60.53,37.77 v1(65.3,37.77)
ROW0: length 210.4
  Top w0.25: v1(95.6,76.24) 95.6,45.74 95.7,45.64 95.7,44.34 97.7,42.34 97.7,41.23 106.35,32.58 106.35,22.09 v1(105.8,21.54) ; v1(102.5,18.24) 102.9,17.84 102.9,15.24 102.3,14.64 93.52,14.64 89.01,19.15 89.01,22.04 U1.4 85.9,25.15 83.12,25.15 80.9,27.37 80.87,27.37 79.81,28.43 v1(79.81,28.47)
  Bottom w0.25: v1(20.3,66.74) 33.4,66.74 36.6,69.94 38.47,69.94 v1(39.3,69.12) 51.37,69.12 v1(58.5,76.24) 69.75,76.24 v1(77.5,83.99) 85.25,76.24 v1(112.5,76.24) 112.92,76.24 v1(115.3,73.87) ; v1(105.8,21.54) v1(102.5,18.24) ; U1.4 78.67,32.99 78.67,29.78 79.81,28.63 v1(79.81,28.47)
ROW1: length 160
  Top w0.25: U1.9 91.28,29.04 91.16,29.17 90.33,32.91 90.23,33.15 89.31,34.08 89.07,34.18 87.94,34.28 87.49,34.73 v1(87.22,35.31) ; v1(92.4,45.94) 92.4,58.94 v1(92.7,59.24) ; v1(72.19,58.35) 72.61,58.35 75.05,60.79 v1(75.05,61.39)
  Bottom w0.25: 82.25,62.69 85.7,59.24 v1(92.7,59.24) v1(112.5,59.24) 112.92,59.24 v1(115.3,56.87) ; 82.25,62.69 77.5,67.44 v1(77.5,75.99) ; 82.25,62.69 76.35,62.69 v1(75.05,61.39) ; v1(20.3,47.73) 33.29,47.73 36.9,51.34 38.07,51.34 v1(39.3,50.11) 51.37,50.11 v1(58.5,57.24) 59.08,57.82 71.65,57.82 v1(72.19,58.35) ; 84.94,37.5 85.26,37.57 v1(87.22,35.31) ; 84.94,37.5 84.28,37.36 83.67,37.32 83.57,37.32 83.53,37.35 83.44,37.45 U1.9 ; 84.94,37.5 84.93,37.52 84.93,39.76 91.11,45.94 v1(92.4,45.94)
ROW2: length 115.6
  Top w0.25: v1(97.75,28.49) 95.99,26.74 91.49,26.74 U1.8 90.06,27.91 89.98,28 89.94,28.04 89.83,28.04 89.4,27.91 88.04,27.91 v1(86.46,28.21)
  Bottom w0.25: v1(20.3,28.74) 32.12,28.74 v1(39.5,36.12) 42.08,33.54 53.8,33.54 v1(58.5,38.24) 59.3,39.04 65.9,39.04 66.7,38.24 77.25,38.24 v1(77.5,37.99) 80.84,37.99 U1.8 82.22,36.31 82.31,36.22 82.34,36.18 82.34,36.08 82.27,35.5 81.76,33.08 81.76,31.73 81.87,31.46 82.82,30.52 83.09,30.41 84.82,30.01 84.9,29.98 85.71,29.17 86.24,28.64 v1(86.46,28.21) ; v1(97.75,28.49) 107.5,38.24 v1(112.5,38.24) 114.87,35.87 v1(115.3,35.87)
ROW3: length 167.4
  Top w0.25: v1(95.1,20.24) 93.96,20.24 91.35,22.85 91.35,23.99 90.4,24.94 89.7,24.94 U1.6 88.2,26.17 88.12,26.27 88.08,26.3 87.83,26.38 87.24,26.52 85.89,26.68 85.79,26.72 85.04,27.4 84.51,27.92 v1(84.24,28.51) ; v1(32.9,48.5) 32.9,39.54 v1(38.46,33.98)
  Bottom w0.25: v1(1.3,52.49) 4.65,49.14 15.5,49.14 19.8,53.44 20.1,53.44 25.04,48.5 v1(32.9,48.5) ; 79.86,35.13 79.77,35.22 76.97,35.22 76.12,34.37 73.97,34.37 71.75,36.59 67.64,36.59 65.69,38.54 60.6,38.54 58.9,36.84 57.81,36.84 54.01,33.04 39.4,33.04 v1(38.46,33.98) ; v1(131.5,26.62) v1(129,26.62) 127.17,26.62 124.42,23.87 v1(105.5,23.87) 105.5,22.44 99.4,16.34 96.8,16.34 95.1,18.04 v1(95.1,20.24) ; v1(84.24,28.51) 83.02,29.29 82.31,29.66 82.24,29.7 81.06,30.88 81.01,30.96 80.8,31.48 80.78,31.57 80.6,33.71 80.53,34.24 80.49,34.45 80.37,34.58 U1.6
SWC: length 41.8
  Top w0.25: v1(83.85,24.17) 80.42,25.36 80.4,25.36 78.26,27.5 78.26,29.06 78.15,29.16 78.15,29.59 77.7,31.85 77.67,31.89 77.58,31.98 77.47,32.39 ; J2.4 75.4,57.26 75.4,36.74 76.57,35.57 76.57,33.28 U1.39
  Bottom w0.25: v1(83.85,24.17) 85.29,23.71 85.33,23.67 85.42,23.58 U1.39
SWD: length 44.7
  Top w0.25: J2.3 78.01,60.39 78.01,56.95 75.9,54.84 75.9,36.95 77.07,35.77 77.07,34.58 U1.37 78.51,32.84 78.6,32.75 78.63,32.72 78.65,29.8 78.65,29.69 78.9,29.44 78.9,28.16 v1(80.79,26.26)
  Bottom w0.25: U1.37 86.35,24.44 86.26,24.53 86.22,24.57 85.7,24.7 84.22,25.06 83.37,25.23 83.23,25.27 81.48,25.85 81.39,25.89 v1(80.79,26.26)
USBN: length 36.9
  Top w0.25: v1(124.21,51.56) 124.77,51.36 124.8,51.35 125.23,50.92 125.7,50.92 J3.A7 ; J3.B7 125.7,49.92 125.11,49.92 v1(124.23,50.01) 123.36,49.22 122.9,48.77 122.9,48.18 121,41.41 121,39.55 123.5,37.05 123.5,32.54 120.95,29.99 U4.4
  Bottom w0.25: J3.B7 125.7,51.41 125.23,51.41 v1(124.21,51.56) 123.91,52.06 123.46,52.51 122.82,52.51 122.36,52.06 122.36,51.41 122.82,50.96 123.27,50.69 123.68,50.29 v1(124.23,50.01) 124.76,50.16 124.81,50.18 125.23,50.36 125.7,50.36 J3.A7
USBP: length 36.8
  Top w0.25: U4.6 122.14,31.89 123,32.75 123,36.84 120.48,39.37 120.48,41.48 120.5,41.58 122.4,48.39 122.4,48.98 122.62,49.23 v1(122.95,49.92) 123.62,50.83 ; J3.B6 125.7,51.42 125.44,51.42 125.09,51.77 124.56,52.11 124.47,52.19 123.94,52.19 v1(123.14,51.74) 123.31,51.19 123.62,50.83 ; J3.A6 125.7,50.42 125.04,50.42 125.02,50.43 124.55,50.79 123.88,50.79 123.62,50.83
  Bottom w0.25: v1(123.14,51.74) 123.43,51.24 123.88,50.79 124.53,50.79 125.04,50.86 125.7,50.86 J3.A6 ; J3.B6 125.7,49.86 125.44,49.86 125.16,49.65 124.55,49.23 123.9,49.23 v1(122.95,49.92)
Net-(C1-Pad1): length 16.9
  Top w0.25: U2.1 53.66,67.29 53.25,66.89 ; 53.25,66.89 52.07,66.89 C1.1 50.71,65.53 48.06,65.53 D23.1 47.7,65.49 Q2.2 ; 53.25,66.89 54.75,65.39 U2.3
Net-(D1-Pad2): length 9
  Top w0.25: v1(20.3,70.29) 24.06,74.06 K1.1 25.96,75.33 K1.1 K1.1 K1.1
Net-(D2-Pad2): length 9
  Top w0.25: K2.1 K2.1 43.69,76.62 K2.1 43.06,76.43 v1(39.3,72.67)
Net-(D3-Pad2): length 8.8
  Top w0.25: K3.1 K3.1 K3.1 63.96,84.83 K3.1 62.26,83.56 v1(58.5,79.79)
Net-(D4-Pad2): length 7.6
  Top w0.25: K4.1 K4.1 K4.1 82.96,89.58 K4.1 78.26,88.31 v1(77.5,87.54)
Net-(D5-Pad2): length 9.4
  Top w0.25: v1(112.5,79.79) 112.5,80.79 109.74,83.56 K5.2 107.04,84.83 K5.2 K5.2
Net-(D6-Pad2): length 9
  Top w0.25: K6.1 K6.1 119.69,81.37 K6.1 119.06,81.18 v1(115.3,77.42)
Net-(D7-Pad2): length 9
  Top w0.25: K7.1 K7.1 K7.1 25.96,56.31 K7.1 24.06,55.04 v1(20.3,51.28)
Net-(D8-Pad2): length 9
  Top w0.25: v1(39.3,53.66) 43.06,57.43 K8.1 43.69,57.62 K8.1 K8.1
Net-(D9-Pad2): length 8.8
  Top w0.25: K9.1 K9.1 62.69,64.75 K9.1 62.26,64.56 v1(58.5,60.79)
Net-(D10-Pad2): length 13
  Top w0.25: D10.2 v1(77.55,79.49) 82.96,74.08 K10.1 K10.1 K10.1 82.96,70.58 K10.1
Net-(D11-Pad2): length 8
  Top w0.25: v1(112.5,62.79) 110.73,64.56 K11.2 108.31,64.75 K11.2 K11.2
Net-(D12-Pad2): length 8.2
  Top w0.25: K12.1 K12.1 119.69,62.37 K12.1 117.06,62.18 v1(115.3,60.42)
Net-(D13-Pad2): length 9
  Top w0.25: v1(20.3,32.29) 24.06,36.06 K13.1 25.96,37.33 K13.1 K13.1 K13.1
Net-(D14-Pad2): length 7.8
  Top w0.25: K14.1 43.69,38.62 K14.1 K14.1
  Bottom w0.25: K14.1 40.73,38.43 v1(39.5,39.67)
Net-(D15-Pad2): length 9.9
  Top w0.25: K15.1 K15.1 K15.1 K15.1 ; K15.1 63.96,46.83 K15.1 62.4,45.56 58.64,41.79 v1(58.5,41.79)
Net-(D16-Pad2): length 14.1
  Top w0.25: K16.1 K16.1 81.69,50.5 K16.1 80.81,50.31 77.5,47 v1(77.5,41.54)
Net-(D17-Pad2): length 8.8
  Top w0.25: K17.2 K17.2 108.31,45.75 K17.2 108.73,45.56 v1(112.5,41.79)
Net-(D18-Pad2): length 8
  Top w0.25: K18.2 K18.2 K18.2 120.96,36.83 K18.2
  Bottom w0.25: K18.2 116.61,38.1 v1(115.3,39.42)
Net-(D19-Pad2): length 9
  Top w0.25: K19.1 K19.1 K19.1 6.96,61.08 K19.1 5.06,59.81 v1(1.3,56.04)
Net-(D20-Pad2): length 12.6
  Top w0.25: K20.1 97.54,19.71 K20.1 K20.1
  Bottom w0.25: K20.1 99.43,20.98 105.5,27.04 v1(105.5,27.42)
Net-(D21-Pad2): length 20.8
  Top w0.25: K21.1 117.27,15.58 K21.1 117.55,15.45 K21.1 118.63,17.3 K21.1 119.16,20.33 v1(129,30.17)
Net-(D22-Pad2): length 24.5
  Top w0.25: K22.1 140.94,11.95 K22.1 138.87,12.49 K22.1 134.7,15.92 134.7,27.54 132.08,30.17 v1(131.5,30.17)
Net-(D24-Pad1): length 10.2
  Top w0.25: D24.1 v1(59.61,25.54) ; R7.1 v1(61.4,34.94)
  Bottom w0.25: v1(59.61,25.54) 61.4,27.34 v1(61.4,34.94)
Net-(D25-Pad1): length 14.7
  Top w0.25: R9.1 103.4,14.32 v1(104.72,13)
Net-(F1-Pad1): length 21.7
  Top w0.5: 124.5,53.77 124.48,53.77 v1(124.43,53.72) ; 124.5,53.77 125.04,53.23 125.04,53.2 125.18,53.06 125.95,53.06 J3.A4 ; 124.5,53.77 123.02,53.77 121.14,51.9 v1(121.14,50.92) 120.12,50.92 F1.1 ; v1(124.63,47.21) 124.63,47.61 125.27,48.24 J3.A4
  Bottom w0.5: 124.57,47.27 v1(124.63,47.21) ; 124.57,47.27 124.03,46.72 123.2,46.72 122.42,47.5 121.56,47.5 120.7,48.37 120.7,48.63 120.42,48.91 120.42,50.2 v1(121.14,50.92) ; 124.57,47.27 125.54,48.23 J3.A4 ; J3.A4 125.12,53.03 v1(124.43,53.72)
Net-(J4-Pad2): length 21.6
  Top w0.5: v1(49.37,28.06) 45.1,32.33 45.1,36.82 46.66,38.38 46.66,42.26 J4.2
Net-(R7-Pad2): length 4
  Top w0.25: v1(63.13,34.72) R7.2 63.18,34.89 ; v1(65.3,34.72) 65.47,34.89 U3.1
  Bottom w0.25: v1(65.3,34.72) v1(63.13,34.72)
Net-(R8-Pad1): length 7.5
  Top w0.25: U3.5 74.06,39.92 R8.1

## Copper pours and planes (outline as drawn; the poured copper is in the pictures)
GND on Top, Bottom: 95,90.51 114,90.51 114,88.11 133,88.11 133,85.81 133.5,36.64 153.6,24.41 139.2,-0.29 122.8,9.11 85.5,14.11 75.9,24.11 19,24.01 19,47.81 -0.1,47.81 0,66.71 19,66.81 19,81.11 38,81.11 38,83.41 57,83.41 57,90.61 76,90.61 76,95.31 95,95.31

## Text on the board
B.Silkscreen: RED | BLUE | Skean V0.2 / By krikun98 | BATTERY / 233350
User.Drawings: JLCJLCJLCJLC
F.Silkscreen: RED | BLUE | Skean V0.2 / By krikun98 | BATTERY / 233350
